# Altium PCB Copy of GameBoard_V1I1_083018.PcbDoc (part 7 of 21)
Units mil, origin at the board's own origin, x right, y up, seen from the top; angles counter-clockwise.
Board outline 7165.35 x 2763.78 mil, 12 copper layers (L1, L2, L3, L4, L5 (PWR), L6 (PWR), L7 (PWR), L8 (PWR), L9, L10, L11, L12), stack 61.575 mil thick; 1542 components, 1068 nets, 5447 pads, 3797 vias.
Unrouted connection lines stored in the file: 105.
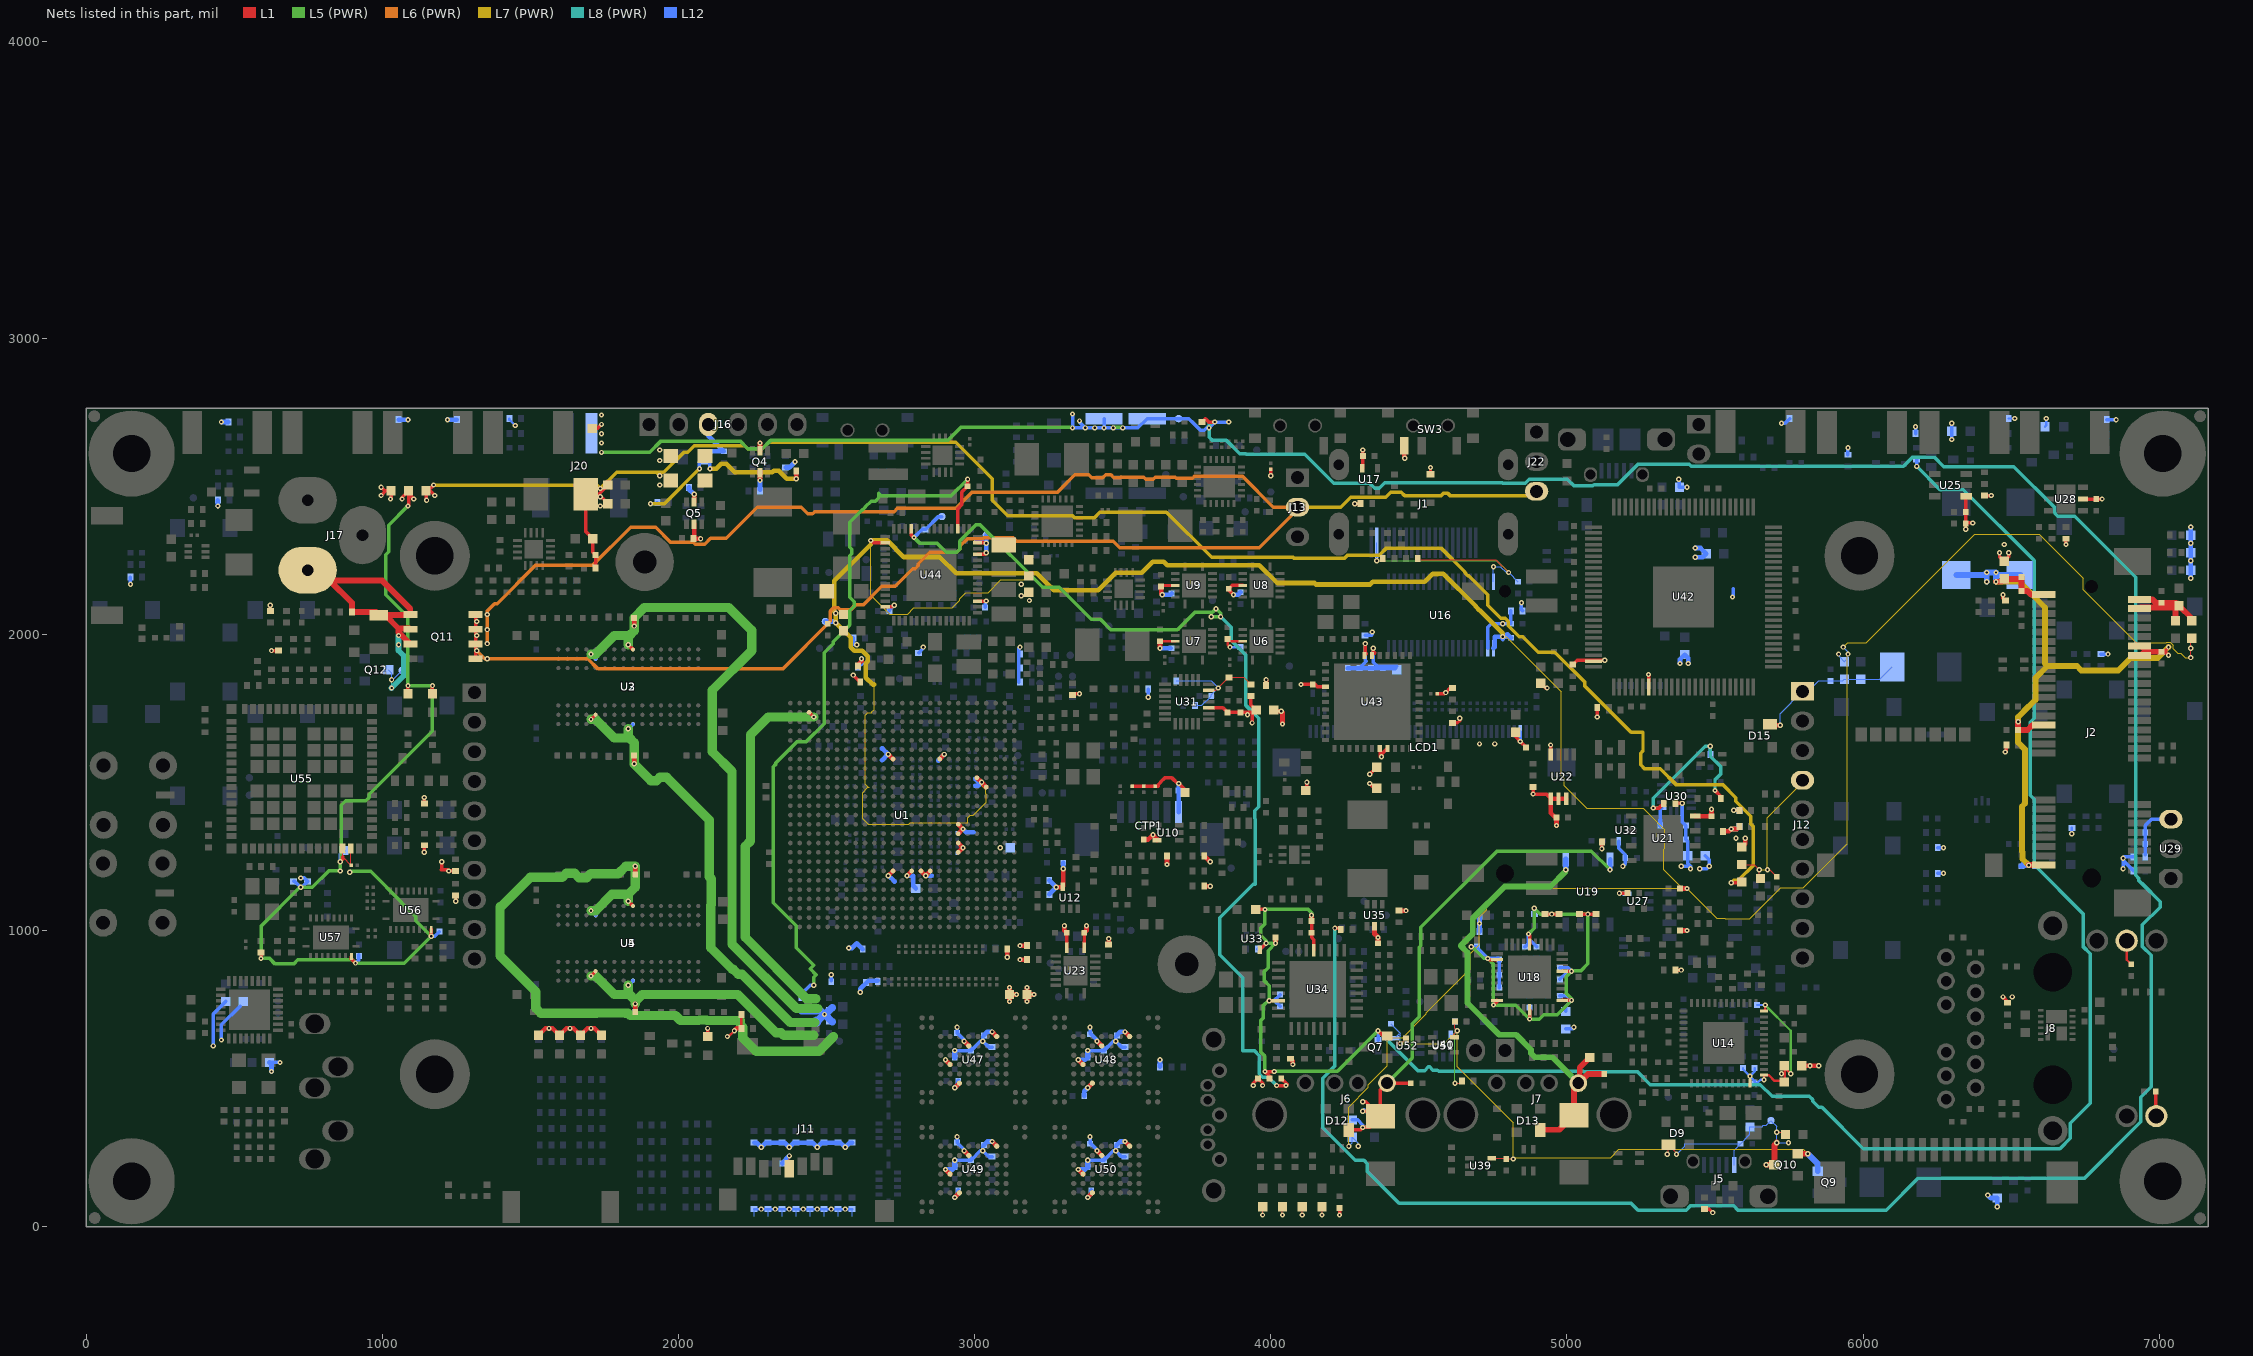
[diagram p17: the nets of this part, all layers, seen from the top]

## Via types
v1: diameter 17.72, hole 7.87, L1 to L12, 1936 vias
v2: diameter 17.72, hole 7.87, L1 to L12, tented both sides, 999 vias
v3: diameter 10.63, hole 3.94, L1 to L2, 337 vias
v4: diameter 10.63, hole 3.94, L2 to L3, 335 vias
v5: diameter 10.63, hole 3.94, L10 to L11, 96 vias
v6: diameter 10.63, hole 3.94, L11 to L12, 94 vias

## Nets (pads, with @x,y where several pads share a name; then routed paths per layer and width w, separated by ;. In a path a pad name is that pad's centre, name@x,y a point inside that pad or via, vN(x,y) a via of type N, cw(c..) or ccw(c..) an arc to the next point about the centre after c; other vN are vias at no path point) (continued)
+3V3: C77.1 C78.1 C79.1 C80.1 C81.1 C82.1 C85.1 C86.1 C98.1 C100.1 C157.1 C159.1 C160.1 C161.1 C162.1 C170.1 C177.1 C178.1 C179.1 C187.1 C223.1 C266.1 C267.1 C268.1 C284.1 C285.1 C286.1 C287.2 C288.1 C302.1 C303.2 C308.1 C312.1 C317.1 C331.1 C366.1 C367.1 C385.1 C386.1 C387.1 C388.1 C389.1 C390.1 C391.1 C392.1 C395.1 C416.1 C417.1 C453.1 C454.1 C455.1 C474.1 CTP1.1 D4.2 D5.2 D6.2 D7.2 D14.2 D18.2 D29.2 D31.2 D32.2 D33.2 D34.2 D35.2 D36.2 D37.2 D38.2 D39.2 D40.2 D41.2 D42.2 FB7.1 FB8.1 FB12.1 FB19.1 FB20.2 FB28.2 FB32.1 FB34.1 FB35.1 FB37.1 FB44.1 FB45.1 FB46.1 FB47.1 FB48.1 FB49.1 FB50.1 J8.14 J8.16 J11.4 L15.2 LCD1.4 Q4.2 Q4.5 Q5.2 Q5.5 R14.2 R20.2 R21.2 R34.1 R45.2 R46.2 R47.2 R48.2 R49.2 R50.2 R51.2 R52.2 R53.2 R54.2 R59.2 R60.2 R61.2 R62.2 R63.2 R64.2 R65.2 R70.2 R71.2 R72.2 R87.2 R88.2 R92.2 R104.2 R105.2 R106.2 R113.2 R122.1 R141.2 R149.2 R151.2 R173.2 R207.2 R210.2 R211.2 R212.1 R213.2 R214.2 R231.2 R232.2 R236.2 R237.2 R243.1 R247.2 R277.2 R278.2 R279.2 R342.1 R350.1 R365.2 R366.2 R367.2 R368.2 R376.2 R377.2 R378.2 R379.2 R392.2 R393.2 R394.2 R395.2 R396.2 R399.2 R404.2 R405.2 R406.2 R407.2 R414.2 R415.2 R416.2 R418.2 R422.2 R423.2 R425.2 R435.2 R578.2 R579.2 R587.2 R588.2 R590.2 R622.2 R625.2 R629.2 R630.2 R631.2 R632.2 R633.2 R634.2 R635.2 R636.2 R637.2 R638.2 R639.2 R640.2 R641.2 SW3.3 TP36.1 U1.G14 U1.G15 U1.G16 U1.G17 U1.J7 U1.K19 U1.L19 U1.M19 U1.P7 U1.P19 U6.4 U7.4 U8.4 U9.4 U10.5 U12.5 U17.5 U21.8 U22.1 U22.2 U22.3 U22.8 U23.1 U23.16 U25.4 U27.5 U28.5 U32.5 U35.5 U42.7 U42.99 U43.7 U43.8 U43.28 U43.29 U43.37 U44.17 U44.25 U44.27 U44.55 | length 9285.7
  L1 w3.66: J11.4@2374.61,195.87 v2(2374.61,238.78) ; v1(3972.44,39.37) D36.2@3972.44,62.99 ; v1(4039.37,39.37) D35.2@4039.37,62.99 ; v1(4106.3,39.37) D34.2@4106.3,62.99 ; v1(4173.23,39.37) D33.2@4173.23,62.99
  L1 w7.87: v1(2165.35,641.73) 2169.29,641.73 v1(2188.98,661.42) ; R207.2@2212.6,669.29 R53.2@2212.6,716.54 ; v2(3862.2,1956.69) 3854.33,1964.57 C78.1@3854.33,1984.25 3862.2,1976.38 U6.4@3905.51,1976.38 ; J8.16@6890.04,965.29 6890.04,901.3 C267.1@6905.51,885.83
  L1 w9.84: C86.1@3629.92,2161.42 3633.86,2165.35 U9.4@3677.17,2165.35 ; C80.1@3633.86,1976.38 U7.4@3677.17,1976.38
  L1 w11.81: R393.2@622.05,2078.74 v1(622.05,2098.43) ; v1(625.98,1944.88) R394.2@649.61,1944.88 ; v1(996.06,2468.5) 1011.81,2484.25 ; v1(996.06,2496.06) 1007.87,2484.25 1011.81,2484.25 ; v1(1027.56,2456.69) 1029.53,2458.66 FB50.1@1029.53,2484.25 1011.81,2484.25 ; v1(1141.73,1263.78) R414.2@1141.73,1287.4 ; R415.2@1141.73,1429.13 v1(1141.73,1448.82) ; v1(1200.79,1232.28) 1200.79,1206.69 1198.82,1204.72 1220.47,1204.72 v1(1224.41,1200.79) R61.2@1248.03,1200.79 ; v1(1248.03,1098.43) R62.2@1248.03,1118.11 ; D14.2@2098.43,641.73 v1(2098.43,669.29) ; v1(2590.55,1862.2) R54.2@2614.17,1838.58 ; U44.55@2698.82,2092.52 2722.44,2092.52 v2(2728.35,2098.43) ; U44.17@3009.84,2112.2 v2(3039.37,2112.2) ; U44.25@3009.84,2269.68 3029.53,2269.68 ; U44.27@3009.84,2309.06 v2@3035.43,2309.06 ; v2(3039.37,2275.59) 3033.46,2269.68 3029.53,2269.68 ; v2@3039.37,2279.53 3029.53,2269.68 ; v2@3039.37,2305.12 v2@3035.43,2309.06 ; v2@3039.37,2309.06 v2@3035.43,2309.06 ; U23.1@3311.02,940.95 C285.1@3311.02,992.13 ; R21.2@3330.71,1795.28 3334.65,1799.21 v1(3354.33,1799.21) ; U23.16@3370.08,940.95 C288.1@3370.08,992.13 ; R365.2@3531.5,1486.81 R366.2@3570.87,1486.81 R367.2@3610.24,1486.81 3620.42,1486.81 3620.42,1491.61 3628.94,1500.13 3628.94,1501.84 3641.86,1514.76 3666.34,1514.76 v1@3687.01,1494.09 ; v1(3688.98,1496.06) 3710.63,1474.41 C386.1@3710.63,1465.55 ; v2(3874.02,2133.86) 3858.27,2149.61 C82.1@3858.27,2153.54 3870.08,2165.35 U8.4@3905.51,2165.35 ; v1(3940.94,476.38) 3940.94,484.25 FB37.1@3956.69,500 3972.44,484.25 v1(3972.44,476.38) ; v1(4000,2535.43) R587.2@4000,2556.5 ; v2(4102.36,1830.71) C387.1@4141.73,1830.71 4149.61,1830.71 4157.48,1822.83 U43.37@4185.04,1822.83 ; D29.2@4118.11,1472.44 4122.05,1476.38 v1(4122.05,1500) ; v1(4232.28,39.37) C395.1@4232.28,62.99 ; v1(4283.46,2440.94) R149.2@4303.15,2440.94 ; U17.5@4309.06,2561.02 4311.02,2562.99 C223.1@4311.02,2602.36 v1(4311.02,2622.05) ; U43.29@4316.93,1929.13 4322.83,1935.04 4318.9,1938.98 v2(4318.9,1968.5) ; v1(4334.65,1496.06) 4350.39,1480.31 D32.2@4358.27,1480.31 ; v1(4334.65,1527.56) D31.2@4358.27,1551.18 ; U43.28@4342.52,1929.13 4350.39,1937.01 4346.46,1940.94 v2(4346.46,1952.76) ; U43.7@4368.11,1614.17 4370.08,1612.2 4370.08,1586.61 v2(4374.02,1586.61) 4374.02,1594.49 U43.8@4393.7,1614.17 ; D4.2@4539.37,2540.13 v1(4539.37,2562.99) ; R368.2@4561.61,1799.21 4586.61,1799.21 v1(4590.55,1803.15) 4606.3,1818.9 R63.2@4614.17,1818.9 R63.2@4618.11,1818.9 ; R64.2@4614.17,1700.79 4629.92,1700.79 4637.8,1708.66 v1(4637.8,1716.54) ; C367.1@4826.77,1669.29 4826.77,1653.54 v1(4842.52,1637.8) C366.1@4862.2,1618.11 ; R214.2@4885.83,1484.25 v1(4885.83,1460.63) 4930.12,1460.63 U22.1@4945.87,1444.88 ; FB47.1@4911.42,1834.65 4927.17,1818.9 v1(4933.07,1818.9) ; v1(4944.88,1625.98) 4944.88,1595.47 U22.8@4945.87,1594.49 ; R350.1@5019.69,1897.64 5034.45,1912.4 v2(5127.95,1912.4) ; v1(5102.36,1720.47) R342.1@5102.36,1751.97 ; v1(5118.11,1275.59) R213.2@5118.11,1299.21 ; v1(5177.17,1125.98) C308.1@5204.72,1125.98 ; U42.7@5275.59,1821.85 v2(5275.59,1864.17) ; R65.2@5366.14,866.14 v1(5385.83,866.14) ; R173.2@5464.57,59.06 5480.31,59.06 v1(5492.13,47.24) ; v1(5562.99,1405.51) R278.2@5582.68,1405.51 ; v2(6346.46,2354.33) C302.1@6346.46,2413.39 ; U25.4@6350.39,2468.5 U25.4@6348.43,2466.54 6346.46,2464.57 C302.1@6346.46,2413.39 ; v2(6370.08,2375.98) 6348.43,2375.98 C303.2@6346.46,2374.02 C302.1@6346.46,2413.39 ; R243.1@6409.45,2468.5 v2(6433.07,2468.5) ; v1(6460.63,2275.59) 6460.63,2261.81 FB8.1@6476.38,2246.06 6492.13,2261.81 v1(6492.13,2275.59) ; v1(6472.44,775.59) 6488.19,759.84 R122.1@6488.19,755.91 ; v2(6472.44,2133.86) 6472.44,2122.05 R379.2@6480.32,2114.17 ; v1(6480.31,1602.36) 6484.25,1606.3 R14.2@6484.25,1625.98 ; v2(6685.04,2303.15) R376.2@6685.04,2323.82 ; U28.5@6742.13,2456.69 C312.1@6787.4,2456.69 v1(6807.09,2456.69) ; C266.1@6988.19,456.69 6988.19,375.14 J8.14@6990.04,373.29
  L1 w15.75: D37.2@1527.56,645.67 1551.18,669.29 v1(1562.99,669.29) 1574.8,669.29 D38.2@1598.43,645.67 1622.05,669.29 v1(1633.86,669.29) 1645.67,669.29 D39.2@1669.29,645.67 1692.91,669.29 v1(1704.72,669.29) 1716.54,669.29 D40.2@1740.16,645.67 ; Q5.2@2053.15,2372.05 2053.15,2322.83 v1(2074.8,2322.83) ; Q5.5@2053.15,2446.85 v1(2053.15,2472.44) ; v1(2188.98,661.42) 2196.85,669.29 R207.2@2212.6,669.29 ; v1(2275.59,2519.68) Q4.2@2275.59,2545.28 ; Q4.5@2275.59,2620.08 v1(2275.59,2645.67) ; R625.2@2606.3,1893.7 2606.3,1897.64 2618.11,1909.45 v1(2618.11,1917.32) ; v1(2708.66,1185.04) U1.P19@2724.41,1200.79 ; v2(2708.66,1594.49) U1.P7@2724.41,1578.74 ; v1(2771.65,1185.04) U1.M19@2787.4,1200.79 ; U1.L19@2818.9,1200.79 v1(2834.65,1185.04) U1.K19@2850.39,1200.79 ; U1.J7@2881.89,1578.74 v2(2897.64,1594.49) ; U1.G17@2944.88,1263.78 v2(2960.63,1279.53) U1.G16@2944.88,1295.28 ; U1.G15@2944.88,1326.77 v2(2960.63,1342.52) U1.G14@2944.88,1358.27 ; v1(3110.24,909.45) R48.2@3110.24,937.01 ; v1(3118.11,759.84) FB49.1@3118.11,783.46 ; v1(3118.11,807.09) FB49.1@3118.11,783.46 ; v1(3141.73,783.46) FB49.1@3118.11,783.46 ; v1(3153.54,901.57) R210.2@3177.17,901.57 ; v1(3153.54,948.82) R211.2@3177.17,948.82 ; v1(3275.59,1145.67) 3295.28,1145.67 U12.5@3297.24,1147.64 3299.21,1149.61 v1(3299.21,1208.66) ; v1(3303.15,1015.75) 3303.15,1000 C285.1@3311.02,992.13 ; C288.1@3370.08,992.13 3377.95,1000 v1(3377.95,1015.75) ; R45.2@3452.76,952.76 v1(3452.76,972.44) ; C98.1@3570.87,1307.09 3586.61,1307.09 v1(3602.36,1322.83) 3616.14,1309.06 U10.5@3616.14,1305.12 ; v2(3625.98,1952.76) C80.1@3625.98,1976.38 ; v2@3629.92,2137.8 C86.1@3629.92,2161.42 ; v1(3649.61,1222.44) R88.2@3649.61,1251.97 ; R49.2@3775.59,1149.61 v1(3795.28,1149.61) ; R87.2@3775.59,1251.97 v1(3795.28,1232.28) ; R34.1@3984.25,1826.77 v1(3984.25,1846.46) ; FB34.1@4009.84,1744.09 4013.78,1740.16 v1(4035.43,1740.16) 4039.37,1736.22 v1(4039.37,1696.85) ; R277.2@4066.93,566.93 4074.8,559.06 v1(4074.8,547.24) ; U35.5@4350.39,1013.78 4350.39,988.19 v1(4362.2,976.38) C331.1@4362.2,956.69 ; R51.2@4433.07,1066.93 v1(4456.69,1066.93) ; SW3.3@4450.79,2635.83 4450.79,2596.46 v1(4452.76,2594.49) ; v1(4964.57,1354.33) C287.2@4964.57,1377.95 ; C287.2@4964.57,1381.89 C287.2@4964.57,1377.95 ; U22.3@4997.05,1444.88 U22.2@4971.46,1444.88 U22.1@4945.87,1444.88 4945.87,1396.65 C287.2@4964.57,1377.95 ; FB32.1@5381.89,1000 v1(5405.51,1000) ; U21.8@5433.07,1386.22 5433.46,1385.83 C286.1@5488.19,1385.83 v1(5488.19,1409.45) ; R212.1@5527.56,1334.65 5547.24,1334.65 v1(5555.12,1342.52) 5574.8,1342.52 R279.2@5582.68,1350.39 ; FB28.2@5590.55,1281.5 5602.36,1293.31 v1(5602.36,1311.02) ; FB7.1@5793.31,543.31 v1(5820.87,543.31) v1(5850.39,543.31)
  L12 w3.94: 2255.91,35.43 R637.2@2255.91,59.05 ; 2303.15,35.43 R578.2@2303.15,59.05 ; 2350.39,35.43 R579.2@2350.39,59.05 ; 2397.64,35.43 R588.2@2397.64,59.05 ; 2444.88,35.43 R631.2@2444.88,59.06 ; 2492.13,35.43 R629.2@2492.13,59.06 ; 2539.37,35.43 R630.2@2539.37,59.06 ; 2586.61,35.43 R632.2@2586.61,59.05
  L12 w7.87: R396.2@1429.13,2728.35 1429.13,2724.41 v1(1448.82,2704.72) ; R637.2@2255.91,59.05 R578.2@2303.15,59.05 R579.2@2350.39,59.05 R588.2@2397.64,59.05 R631.2@2444.88,59.06 R629.2@2492.13,59.06 R630.2@2539.37,59.06 R632.2@2586.61,59.05 ; C177.1@2940.95,1261.22 2943.03,1261.22 2960.63,1278.83 v2(2960.63,1279.53) ; v2(3862.2,1956.69) C77.1@3897.64,1956.69 ; R405.2@6492.13,2728.35 v1(6511.81,2728.35) ; D41.2@6614.17,2700.79 6618.11,2704.72 v1(6618.11,2728.35) ; v1(6704.72,1326.77) R377.2@6704.72,1346.46
  L12 w11.81: v1(149.61,2169.29) R395.2@149.61,2192.91 ; v1(429.13,610.24) 429.13,717.76 C268.1@471.65,760.28 ; v1(456.69,629.92) 456.69,681.1 519.68,744.09 ; FB20.2@619.02,554.29 v1(654.45,554.29) ; R70.2@2515.75,830.71 v1(2515.75,850.39) ; R435.2@2590.55,1988.19 2590.55,1968.5 2594.49,1964.57 v1(2602.36,1964.57) ; C474.1@2712.6,2078.74 2712.6,2082.68 v2(2728.35,2098.43) ; R622.2@2811.02,1937.01 2826.77,1952.76 v1(2826.77,1956.69) ; C416.1@3035.43,2090.55 3035.43,2108.27 v2(3039.37,2112.2) ; R104.2@3149.61,1838.58 3149.61,1952.76 v1(3153.54,1956.69) ; v1(3586.61,1787.4) R46.2@3586.61,1814.96 ; C388.1@4299.21,1885.83 4322.83,1909.45 4318.9,1913.39 v2(4318.9,1968.5) ; R20.2@4318.9,1996.06 4338.58,1996.06 4342.52,2000 v2(4342.52,2007.87) ; v2(4346.46,1952.76) 4346.46,1905.51 4360.24,1891.73 C392.1@4425.2,1891.73 ; v1(4842.52,1637.8) LCD1.4@4842.52,1671.26 ; v1(4846.46,2106.3) 4846.46,2082.68 R141.2@4850.39,2078.74 ; FB12.1@4996.06,667.32 5017.72,667.32 v1(5023.62,673.23) ; U32.5@5175.2,1301.18 5175.2,1277.56 5196.85,1255.91 C317.1@5196.85,1244.09 5196.85,1224.41 v1(5188.98,1216.54) ; v1(5177.17,1125.98) 5200.79,1125.98 U27.5@5202.76,1124.02 ; v1(5377.95,2523.62) 5379.92,2521.65 FB44.1@5379.92,2496.06 v1(5405.51,2496.06) ; v1(5448.82,1208.66) 5472.44,1208.66 v1(5480.31,1216.54) 5480.31,1238.19 FB35.1@5466.54,1251.97 ; v1(5559.06,2125.98) 5561.02,2127.95 5561.02,2153.54 ; v1(5562.99,1405.51) R59.2@5582.68,1405.51 ; v1(5724.41,2712.6) 5736.22,2712.6 R425.2@5751.97,2728.35 ; R418.2@5948.82,2606.3 v1(5948.82,2629.92) ; R416.2@6177.17,2677.17 v1(6177.17,2700.79) ; R422.2@6251.97,1192.91 v1(6271.65,1192.91) ; R423.2@6251.97,1279.53 v1(6271.65,1279.53) ; v1(6299.21,2657.48) D42.2@6299.21,2685.04 v1(6299.21,2712.6) ; R378.2@6803.15,1933.07 v2(6826.77,1933.07) ; R404.2@6822.83,2724.41 v1(6854.33,2724.41) ; v1(6877.95,1208.66) 6877.95,1236.22 R151.2@6913.39,1200.79 ; v1(6877.95,1244.09) 6881.89,1248.03 R247.2@6913.39,1248.03
  L12 w15.75: v1(444.88,2433.07) R392.2@444.88,2452.76 ; v1(456.69,2716.54) R406.2@480.32,2716.54 ; FB20.2@619.02,554.29 625.98,547.32 v1(625.98,523.62) ; R407.2@1055.12,2724.41 v1(1086.61,2724.41) ; v1(1220.47,2724.41) R399.2@1251.97,2724.41 ; R236.2@2035.43,2496.06 2035.43,2490.16 v1(2053.15,2472.44) ; R640.2@2255.91,283.46 2263.78,283.46 v2(2279.53,267.72) 2295.28,283.46 R636.2@2303.15,283.46 R635.2@2350.39,283.46 2358.27,283.46 v2(2374.02,267.72) 2389.76,283.46 R639.2@2397.64,283.46 R633.2@2444.88,283.46 2452.76,283.46 v2(2468.5,267.72) 2484.25,283.46 R641.2@2492.13,283.46 R634.2@2539.37,283.46 2547.24,283.46 v2(2562.99,267.72) 2578.74,283.46 R638.2@2586.61,283.46 ; R231.2@2275.59,2488.19 v1(2275.59,2519.68) ; C284.1@2350.39,212.6 2350.39,214.57 v2(2374.61,238.78) ; R232.2@2362.2,2562.99 2374.02,2562.99 v1(2393.7,2582.68) ; v1(2574.8,940.94) 2586.61,940.94 2602.36,956.69 R47.2@2622.05,937.01 ; R113.2@2606.3,1889.76 2618.11,1901.57 v1(2618.11,1917.32) ; v2(2614.17,791.34) 2614.17,803.15 2641.73,830.71 R72.2@2673.23,830.71 ; C179.1@2687.6,1574.8 2707.28,1594.49 v2(2708.66,1594.49) 2688.98,1614.17 R590.2@2687.6,1614.17 ; v1(2708.66,1185.04) 2710.04,1185.04 C157.1@2729.72,1165.35 ; v1(2771.65,1185.04) C160.1@2792.72,1185.04 2792.72,1150.2 C162.1@2801.18,1141.73 ; v1(2834.65,1185.04) C159.1@2855.71,1185.04 ; C170.1@2877.95,1573.43 2877.95,1574.8 v2(2897.64,1594.49) ; v2(2960.63,1342.52) 2971.06,1332.09 C187.1@2996.06,1332.09 ; C417.1@3007.87,2314.96 3031.5,2314.96 v2(3039.37,2307.09) ; v2(3039.37,2275.59) v2(3039.37,2307.09) ; TP36.1@3039.37,2334.65 v2(3039.37,2307.09) ; R92.2@3251.97,1169.29 v1(3275.59,1145.67) 3252.44,1122.52 R52.2@3252.44,1122.05 ; v1(3299.21,1208.66) C100.1@3299.21,1228.35 ; R50.2@3625.98,539.37 v1(3625.98,562.99) ; v2(3625.98,1952.76) C79.1@3661.42,1952.76 ; v2(3633.86,2133.86) 3661.42,2133.86 C85.1@3665.35,2137.8 ; CTP1.1@3688.98,1399.61 C385.1@3688.98,1472.44 v1(3688.98,1496.06) ; v2(3874.02,2133.86) 3889.76,2133.86 C81.1@3897.64,2141.73 ; C389.1@4259.84,1885.83 C388.1@4299.21,1885.83 C391.1@4338.58,1885.83 C390.1@4377.95,1885.83 C392.1@4419.29,1885.83 ; v1(5381.89,1901.57) 5381.89,1915.72 FB46.1@5397.64,1931.47 5409.45,1919.66 v1(5409.45,1901.57) ; v1(5433.07,2259.84) 5458.66,2259.84 FB45.1@5470.47,2271.65 5450.79,2291.34 v1(5433.07,2291.34) ; v1(5555.12,1342.52) 5574.8,1342.52 R60.2@5582.68,1350.39 ; v1(6421.26,106.3) 6431.1,96.46 FB48.1@6452.76,96.46 v1(6452.76,66.93) ; v1(7106.3,2188.98) v1(7106.3,2248.03) v1(7106.3,2307.09) v1(7106.3,2362.2)
  other v1: 6503.94,775.59 5570.87,1311.02 3688.98,1496.06 4704.72,1629.92 4755.91,1629.92 3185.04,2114.17 3157.48,2129.92 3157.48,2169.29 6476.38,2303.15 1937.01,2586.61 1937.01,2622.05
  other v2: 2279.53,59.05 2326.77,59.05 2374.02,59.05 2421.26,59.06 2468.5,59.05 2515.75,59.05 2562.99,59.05 3086.61,1279.53
  other v3: 2708.66,1594.49
+3V3_COMP: C315.1 C316.1 FB35.2 R259.1 U30.14 | length 290.3
  L1 w11.81: R259.1@5366.14,1429.13 v1(5389.76,1429.13)
  L12 w11.81: v1(5385.83,1216.54) 5409.45,1216.54 v1(5417.32,1208.66) 5417.32,1216.54 5407.48,1226.38 FB35.2@5407.48,1251.97 5407.48,1301.18 C315.1@5401.57,1307.09 C316.1@5401.57,1354.33 5389.76,1366.14 U30.14@5389.76,1402.56 v1(5389.76,1429.13)
+3V3_COMP_IO: C318.1 R259.2 R261.2 R263.1 U30.1 | length 664.9
  L1 w11.81: v1(5291.34,1413.39) 5311.02,1413.39 R259.2@5326.77,1429.13 ; v1(5500,1472.44) 5519.69,1452.76 R261.2@5519.69,1444.88
  L8 (PWR) w11.81: v1(5291.34,1413.39) 5291.34,1445.99 5467.39,1622.05 v1(5484.25,1622.05) 5484.25,1588.58 5518.7,1554.13 5518.7,1527.69 5500,1508.99 v1(5500,1472.44)
  L12 w11.81: v1(5291.34,1413.39) U30.1@5319.88,1413.39 5314.96,1408.46 5314.96,1374.02 ; R263.1@5484.25,1594.49 v1(5484.25,1622.05)
  L12 w15.75: C318.1@5314.96,1354.33 5314.96,1374.02
+3V3_ETH_AVDDH: C213.1 C214.1 C215.1 C216.1 C217.1 FB7.2 U14.1 U14.12 U14.47 | length 657.5
  L1 w7.87: U14.47@5618.11,484.25 v1(5618.11,507.87) ; U14.12@5664.96,727.95 5669.29,732.28 v1(5669.29,748.03) ; v1(5665.35,496.06) 5665.35,511.02 U14.1@5664.96,511.42 5681.5,511.42 5700.79,492.13 5728.35,492.13 5735.83,499.61 FB7.2@5735.83,535.83 ; v1(5755.91,515.75) FB7.2@5735.83,535.83 ; FB7.2@5735.83,535.83 5734.25,537.4 FB7.2@5734.25,543.31 5735.83,541.73 FB7.2@5735.83,535.83
  L5 (PWR) w7.87: v1@5669.29,747.99 5755.91,661.38 v1(5755.91,515.75)
  L12 w7.87: C217.1@5594.49,535.43 5594.49,531.5 v1(5618.11,507.87) ; C216.1@5633.86,535.43 5633.86,523.62 v1(5618.11,507.87) ; C215.1@5641.73,748.03 v1(5669.29,748.03) ; v1(5665.35,496.06) 5653.54,496.06 5641.73,484.25 C214.1@5633.86,484.25 5633.86,492.13 v1(5618.11,507.87)
  other v1: 5724.41,515.75
+3V3_FLASH: C499.1 C500.1 C501.1 C502.1 C503.2 C504.1 C505.1 C506.1 C507.1 C508.2 C509.1 C510.1 C511.1 C512.1 C513.2 C514.1 C515.1 C516.1 C517.1 C518.2 FB49.2 R497.2 R500.2 R502.2 R504.2 U47.D3 U47.G4 U47.H8 U47.J6 U48.D3 U48.G4 U48.H8 U48.J6 U49.D3 U49.G4 U49.H8 U49.J6 U50.D3 U50.G4 U50.H8 U50.J6 | length 1941
  L1 w15.75: v2(2901.57,192.91) U49.J6@2917.32,177.17 ; v2(2901.57,562.99) U47.J6@2917.32,547.24 ; v2(2933.07,98.43) U49.H8@2948.82,114.17 ; v2(2933.07,468.5) U47.H8@2948.82,484.25 ; v2(2964.57,255.91) U49.G4@2980.31,240.16 ; v2(2964.57,625.98) U47.G4@2980.31,610.24 ; v2(3059.06,287.4) U49.D3@3074.8,271.65 ; v2(3059.06,657.48) U47.D3@3074.8,641.73 ; v1(3177.17,759.84) FB49.2@3177.17,783.46 ; v1(3177.17,807.09) FB49.2@3177.17,783.46 ; v1(3200.79,783.46) FB49.2@3177.17,783.46 ; v2(3350.39,192.91) U50.J6@3366.14,177.17 ; v2(3350.39,562.99) U48.J6@3366.14,547.24 ; v2(3381.89,98.43) U50.H8@3397.64,114.17 ; v2(3381.89,468.5) U48.H8@3397.64,484.25 ; v2(3413.39,255.91) U50.G4@3429.13,240.16 ; v2(3413.39,625.98) U48.G4@3429.13,610.24 ; v2(3507.87,287.4) U50.D3@3523.62,271.65 ; v2(3507.87,657.48) U48.D3@3523.62,641.73
  L12 w11.81: v2(2933.07,224.41) C513.2@2988.19,224.41 ; v2(2933.07,594.49) C503.2@2988.19,594.49 ; v2(2940.94,303.15) C510.1@2940.94,283.46 2964.57,259.84 v2(2964.57,255.91) 2988.19,232.28 C513.2@2988.19,224.41 ; v2(2940.94,673.23) C501.1@2940.94,653.54 2964.57,629.92 v2(2964.57,625.98) 2988.19,602.36 C503.2@2988.19,594.49 ; C509.1@3031.5,275.59 3027.56,271.65 v2(3027.56,255.91) ; C502.1@3031.5,645.67 3027.56,641.73 v2(3027.56,625.98) ; R502.2@3059.05,236.22 3047.24,236.22 v2(3027.56,255.91) ; R497.2@3059.05,606.3 3047.24,606.3 v2(3027.56,625.98) ; v2(3381.89,224.41) C518.2@3437.01,224.41 ; v2(3381.89,594.49) C508.2@3437.01,594.49 ; v2(3389.76,303.15) 3389.76,283.46 3413.39,259.84 v2(3413.39,255.91) 3437.01,232.28 C518.2@3437.01,224.41 ; v2(3389.76,673.23) 3389.76,653.54 3413.39,629.92 v2(3413.39,625.98) 3437.01,602.36 C508.2@3437.01,594.49 ; C514.1@3480.31,275.59 3476.38,271.65 v2(3476.38,255.91) ; C505.1@3480.31,645.67 3476.38,641.73 v2(3476.38,625.98) ; R504.2@3507.87,236.22 3496.06,236.22 v2(3476.38,255.91) ; R500.2@3507.87,606.3 3496.06,606.3 v2(3476.38,625.98) ; C513.2@2988.19,224.41 3019.68,255.91 v2(3027.56,255.91) ; C503.2@2988.19,594.49 3019.68,625.98 v2(3027.56,625.98) ; C518.2@3437.01,224.41 3468.5,255.91 v2(3476.38,255.91) ; C508.2@3437.01,594.49 3468.5,625.98 v2(3476.38,625.98)
  L12 w15.75: v2(2901.57,192.91) 2925.2,192.91 C512.1@2933.07,200.79 ; v2(2933.07,98.43) 2944.88,110.24 C511.1@2944.88,122.05 ; v2(2933.07,468.5) 2944.88,480.32 C500.1@2944.88,492.13 ; C509.1@3031.5,275.59 3043.31,287.4 v2(3059.06,287.4) ; C502.1@3031.5,645.67 3043.31,657.48 v2(3059.06,657.48) ; v2(3350.39,192.91) 3374.02,192.91 C517.1@3381.89,200.79 ; v2(3350.39,562.99) 3374.02,562.99 C507.1@3381.89,570.87 ; C504.1@3370.08,440.94 3370.08,456.69 v2(3381.89,468.5) ; v2(3381.89,98.43) 3393.7,110.24 C516.1@3393.7,122.05 ; C514.1@3480.31,275.59 3492.13,287.4 v2(3507.87,287.4) ; C505.1@3480.31,645.67 3492.13,657.48 v2(3507.87,657.48)
  L12 w17.72: C512.1@2933.07,200.79 v2(2933.07,224.41) ; C499.1@2933.07,570.87 v2(2933.07,594.49) ; C517.1@3381.89,200.79 v2(3381.89,224.41) ; C507.1@3381.89,570.87 v2(3381.89,594.49)
+3V3_GYRO: C313.1 C314.1 FB34.2 R260.1 U31.15 | length 262.7
  L1 w11.81: U31.15@3790.35,1751.97 3838.58,1751.97 C314.1@3854.33,1736.22 C313.1@3897.64,1736.22 FB34.2@3942.91,1736.22 ; R260.1@3933.07,1791.34 3933.07,1761.81 FB34.2@3950.79,1744.09 FB34.2@3942.91,1736.22 ; v1(3937.01,1700.79) 3937.01,1730.31 FB34.2@3942.91,1736.22
  other v1: 3921.26,1728.35
+3V3_GYRO_IO: C319.1 R254.1 R260.2 R264.1 R266.1 U31.18 | length 427.5
  L1 w3.66: U31.18@3790.35,1811.02 3814.96,1811.02 v1(3822.83,1818.9) R264.1@3858.27,1854.33 3909.45,1854.33 R260.2@3933.07,1830.71
  L12 w3.66: R254.1@3681.1,1842.52 3799.21,1842.52 v1(3822.83,1818.9) 3799.21,1795.28 C319.1@3799.21,1791.34 3767.72,1759.84 R266.1@3744.09,1759.84
+3V3_HDMI: C219.1 R141.1 U16.2 | length 197.8
  L12 w11.81: U16.2@4732.28,1952.76 4732.28,2023.62 4744.09,2035.43 v1(4783.46,2035.43) C219.1@4811.02,2035.43 R141.1@4811.02,2078.74
+3V3_HDR: C345.1 C346.1 C347.1 C348.2 D19.2 FB24.2 FB51.1 L7.2 R307.2 TP21.1 | length 6105.3
  L1 w11.81: v1(1149.61,2452.76) 1147.64,2454.72 FB51.1@1147.64,2484.25 FB51.1@1153.54,2484.25 ; v1(1173.23,2503.94) FB51.1@1153.54,2484.25 ; v1(1177.17,2468.5) 1161.42,2484.25 FB51.1@1153.54,2484.25 ; R307.2@1720.47,2224.41 C348.2@1720.47,2267.72 1710.63,2277.56 C345.1@1710.63,2322.83 1686.52,2346.95 L7.2@1686.52,2472.44 1730.32,2472.44 ; C347.1@1761.81,2440.94 1737.2,2465.55 1730.32,2472.44 ; C346.1@1761.81,2503.94 1730.32,2472.44 ; v1(5555.12,1161.42) 5588.58,1161.42 FB24.2@5590.55,1163.39